# KiCad board AsicsBoard - 16xBM1368 - 01A.kicad_pcb (continued)
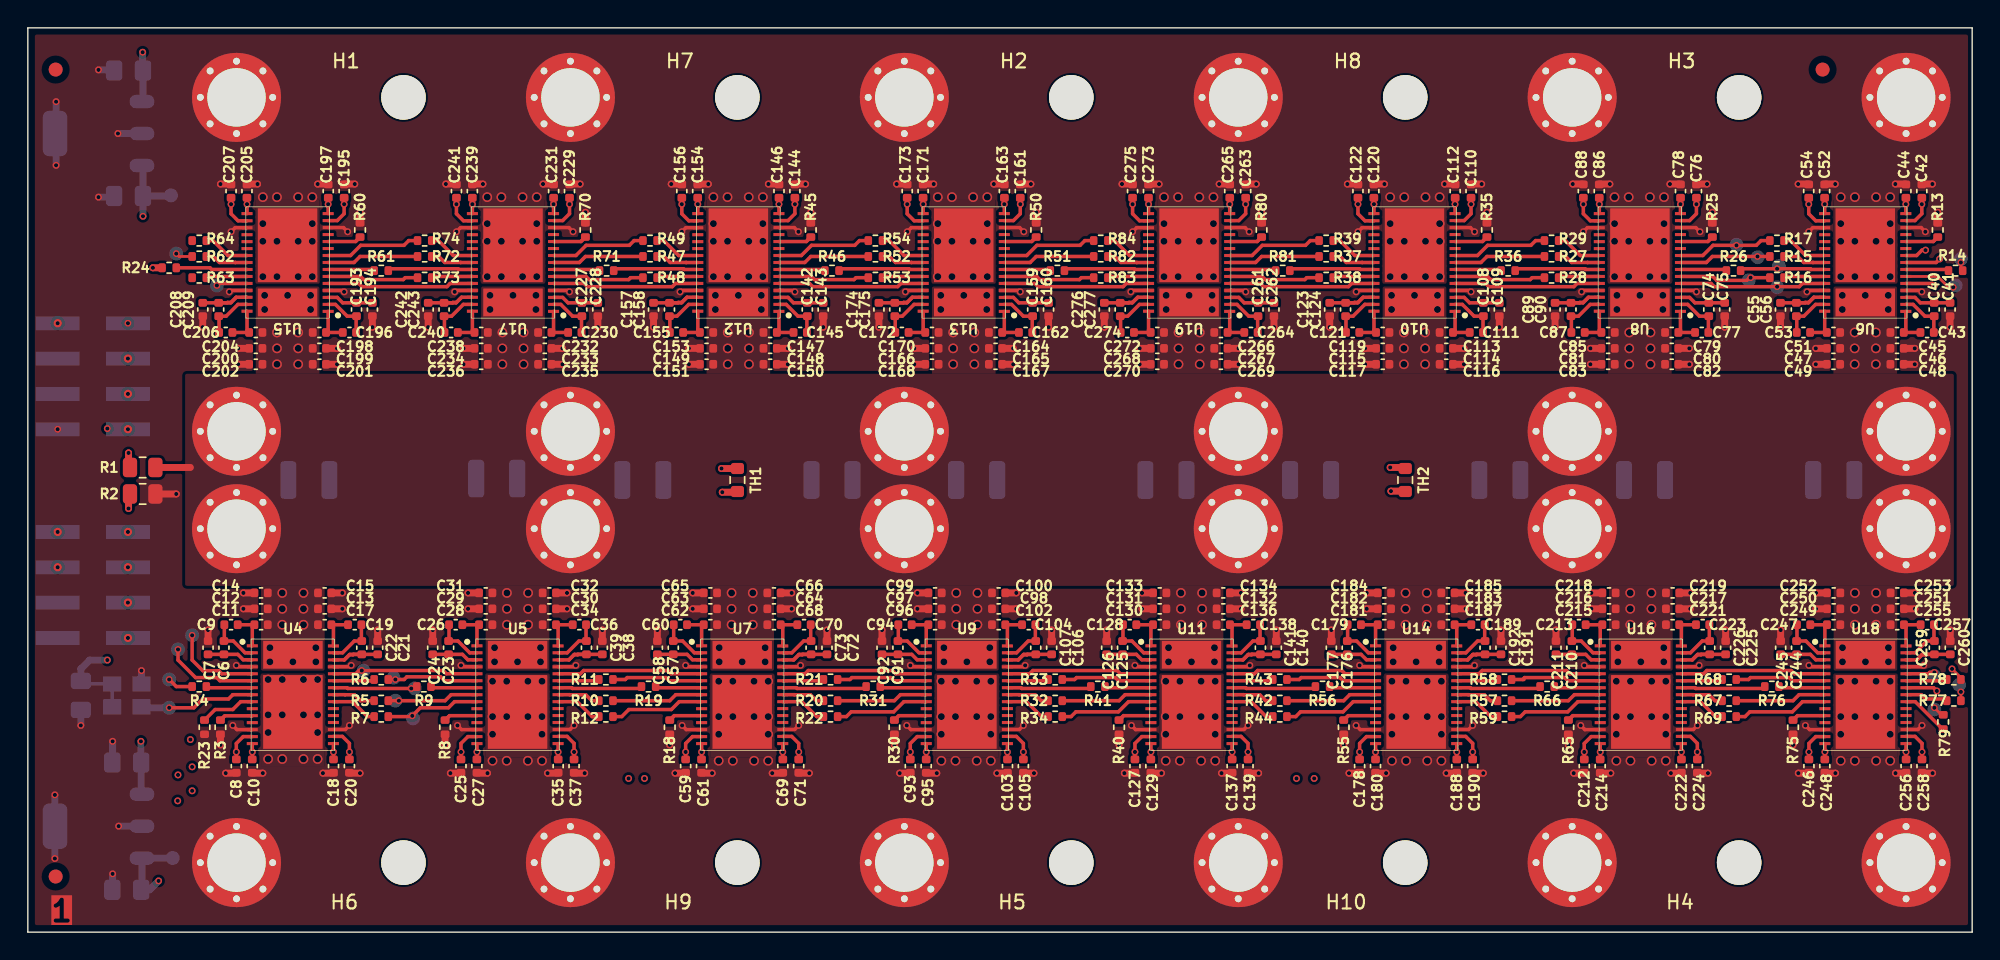
[diagram p0: board, top side]
## Placement (name value [footprint] x y rotation side) (continued)
R48  33R  [R_0402_1005Metric]  44.72 47.04 180 top
R49  33R  [R_0402_1005Metric]  44.72 49.71 180 top
R50  1K  [R_0402_1005Metric]  72.48 50.47 90 top
R51  33R  [R_0402_1005Metric]  74 47.55 0 top
R52  33R  [R_0402_1005Metric]  60.92 48.56 180 top
R53  33R  [R_0402_1005Metric]  60.92 47.04 180 top
R54  33R  [R_0402_1005Metric]  60.92 49.71 180 top
R55  1K  [R_0402_1005Metric]  94.58 14.73 270 top
R56  33R  [R_0402_1005Metric]  93.06 17.65 180 top
R57  33R  [R_0402_1005Metric]  106.14 16.64 0 top
R58  33R  [R_0402_1005Metric]  106.14 18.16 0 top
R59  33R  [R_0402_1005Metric]  106.14 15.49 0 top
R60  1K  [R_0402_1005Metric]  23.88 50.47 90 top
R61  33R  [R_0402_1005Metric]  25.4 47.55 0 top
R62  33R  [R_0402_1005Metric]  12.32 48.56 180 top
R63  33R  [R_0402_1005Metric]  12.32 47.04 180 top
R64  33R  [R_0402_1005Metric]  12.32 49.71 180 top
R65  1K  [R_0402_1005Metric]  110.73 14.73 270 top
R66  33R  [R_0402_1005Metric]  109.2 17.65 180 top
R67  33R  [R_0402_1005Metric]  122.28 16.64 0 top
R68  33R  [R_0402_1005Metric]  122.28 18.16 0 top
R69  33R  [R_0402_1005Metric]  122.28 15.49 0 top
R70  1K  [R_0402_1005Metric]  40.08 50.47 90 top
R71  33R  [R_0402_1005Metric]  41.6 47.55 0 top
R72  33R  [R_0402_1005Metric]  28.52 48.56 180 top
R73  33R  [R_0402_1005Metric]  28.52 47.04 180 top
R74  33R  [R_0402_1005Metric]  28.52 49.71 180 top
R75  1K  [R_0402_1005Metric]  126.87 14.73 270 top
R76  33R  [R_0402_1005Metric]  125.35 17.65 180 top
R77  33R  [R_0402_1005Metric]  138.43 16.64 0 top
R78  33R  [R_0402_1005Metric]  138.43 18.16 0 top
R79  33R  [R_0402_1005Metric]  137.67 15.11 90 top
R80  1K  [R_0402_1005Metric]  88.68 50.47 90 top
R81  33R  [R_0402_1005Metric]  90.2 47.55 0 top
R82  33R  [R_0402_1005Metric]  77.12 48.56 180 top
R83  33R  [R_0402_1005Metric]  77.12 47.04 180 top
R84  33R  [R_0402_1005Metric]  77.12 49.71 180 top
TH1  RB103J0J  [R_0603_1608Metric]  51 32.5 90 top
TH2  RB103J0J  [R_0603_1608Metric]  99 32.5 90 top
TP1  TestPoint  [TestPoint_Pad_D1.0mm]  10.41 5.33 270 bottom
TP2  TestPoint  [TestPoint_Pad_D1.0mm]  10.29 52.96 90 bottom
TP3  TestPoint  [TestPoint_Pad_D1.0mm]  24.13 18.8 180 bottom
TP4  TestPoint  [TestPoint_Pad_D1.0mm]  26.42 16.64 180 bottom
TP5  TestPoint  [TestPoint_Pad_D1.0mm]  27.81 17.53 180 bottom
TP6  TestPoint  [TestPoint_Pad_D1.0mm]  26.29 18.29 180 bottom
TP7  TestPoint  [TestPoint_Pad_D1.0mm]  27.69 15.37 180 bottom
TP8  TestPoint  [TestPoint_Pad_D1.0mm]  125.73 46.36 180 bottom
TP9  TestPoint  [TestPoint_Pad_D1.0mm]  124.33 48.51 180 bottom
TP10  TestPoint  [TestPoint_Pad_D1.0mm]  125.86 47.88 180 bottom
TP11  TestPoint  [TestPoint_Pad_D1.0mm]  123.7 46.86 180 bottom
TP12  TestPoint  [TestPoint_Pad_D1.0mm]  122.81 49.4 180 bottom
TP13  TestPoint  [TestPoint_Pad_D1.0mm]  11.81 21.34 180 bottom
TP14  TestPoint  [TestPoint_Pad_D1.0mm]  10.16 16.13 180 bottom
TP15  TestPoint  [TestPoint_Pad_D1.0mm]  10.8 20.32 180 bottom
TP16  TestPoint  [TestPoint_Pad_D1.0mm]  10.16 18.16 180 bottom
TP17  TestPoint  [TestPoint_Pad_D1.0mm]  137.03 18.42 270 bottom
TP18  TestPoint  [TestPoint_Pad_D1.0mm]  138.81 17.78 270 bottom
TP19  TestPoint  [TestPoint_Pad_D1.0mm]  138.56 46.48 270 bottom
TP20  TestPoint  [TestPoint_Pad_D1.0mm]  138.94 48.39 270 bottom
TP21  TestPoint  [TestPoint_Pad_D1.0mm]  137.03 16 270 bottom
TP22  TestPoint  [TestPoint_Pad_D1.0mm]  13.59 46.48 180 bottom
TP23  TestPoint  [TestPoint_Pad_D1.0mm]  10.67 48.77 180 bottom
U1  MCP1826S-1202E_DB  [MCP1826S]  5.08 57.4 270 bottom
U2  MCP1826S-0802E_DB  [MCP1826S]  5.08 7.62 270 bottom
U3  25MHz  [Oscillator_SMD_Abracon_ASE-4Pin_3.2x2.5mm]  7.11 17.02 0 bottom
U4  ~  [BM1368]  19.05 17.07 0 top
U5  ~  [BM1368]  35.2 17.07 0 top
U6  ~  [BM1368]  132.07 48.13 180 top
U7  ~  [BM1368]  51.34 17.07 0 top
U8  ~  [BM1368]  115.87 48.13 180 top
U9  ~  [BM1368]  67.49 17.07 0 top
U10  ~  [BM1368]  99.67 48.13 180 top
U11  ~  [BM1368]  83.64 17.07 0 top
U12  ~  [BM1368]  51.07 48.13 180 top
U13  ~  [BM1368]  67.27 48.13 180 top
U14  ~  [BM1368]  99.79 17.07 0 top
U15  ~  [BM1368]  18.67 48.13 180 top
U16  ~  [BM1368]  115.93 17.07 0 top
U17  ~  [BM1368]  34.87 48.13 180 top
U18  ~  [BM1368]  132.08 17.07 0 top
U19  ~  [BM1368]  83.47 48.13 180 top

## Library data of the parts
C1-C4 = -: MP: CL21B105KOFNFNE; P/N MOUSER: 187-CL21B105KOFNFNE; ki_fp_filters: C_*
C5 = -: P/N MOUSER: 791-0805B104M101CT; ki_fp_filters: C_*
C6-C11 C14 C15 C17-C28 C31 C32 C34-C45 C48 C49 C51-C62 C65 C66 C68-C79 C82 C83 C85-C96 C99 C100 C102-C113 C116 C117 C119-C130 C133 C134 C136-C147 C150 C151 C153-C164 C167 C168 C170-C181 C184 C185 C187-C198 C201 C202 C204-C215 C218 C219 C221-C232 C235 C236 C238-C249 C252 C253 C255-C266 C269 C270 C272-C277 = -: MP: GRM155R70J105KA12D; P/N MOUSER: 81-GRM155R70J105KA2D; ki_fp_filters: C_*
C12 C13 C29 C30 C46 C47 C63 C64 C80 C81 C97 C98 C114 C115 C131 C132 C148 C149 C165 C166 C182 C183 C199 C200 C216 C217 C233 C234 C250 C251 C267 C268 = -: MP: SH15B104K160CT; P/N MOUSER: 791-SH15B104K160CT; ki_fp_filters: C_*
C16 C33 C50 C67 C84 C101 C118 C135 C152 C169 C186 C203 C220 C237 C254 C271 C278-C287 = -: MP: GRM32ER60G337ME05K; P/N MOUSER: 81-GRM32ER60G337ME5K; ki_fp_filters: CP_*
FID1-FID6 = -: Description: Fiducial Marker; ki_fp_filters: Fiducial*
H1-H10 = -: Description: Mounting Hole without connection; ki_fp_filters: MountingHole*
H11-H34 = -: Description: Mounting Hole with connection; P/N MOUSER: 153-SMTSO-M3-10ET; MP: SMTSO-M3-10ET; ki_fp_filters: MountingHole*Pad*
J1 J2 = -: Description: Generic connector, double row, 02x04, odd/even pin numbering scheme (row 1 odd numbers, row 2 even numbers), script generated (kicad-library-utils/schlib/autogen/connector/); ki_fp_filters: Connector*:*_2x??_*
R1 R2 = -: MP: RT0805DRE0751RL; P/N MOUSER: 603-RT0805DRE0751RL; ki_fp_filters: R_*
R3 R8 R13 R18 R25 R30 R35 R40 R45 R50 R55 R60 R65 R70 R75 R80 = -: P/N MOUSER: 708-RNCP0402FTD1K00; MP: RNCP0402FTD1K00; ki_fp_filters: R_*
R4-R7 R9-R12 R14-R17 R19-R22 R26-R29 R31-R34 R36-R39 R41-R44 R46-R49 R51-R54 R56-R59 R61-R64 R66-R69 R71-R74 R76-R79 R81-R84 = -: MP: WR04X33R0FTL; P/N MOUSER: 791-WR04X33R0FTL; ki_fp_filters: R_*
R23 R24 = -: MP: RMC1/16SK1002FTH; P/N MOUSER: 791-RMC1/16SK103FTH; ki_fp_filters: R_*
TH1 TH2 = -: Description: CTN; P/N MOUSER: 576-RB103J0J; ki_fp_filters: TO?92* PIN?ARRAY* bornier* Terminal?Block* SOD70* R*1206* R*0805*
TP1-TP23 = -: ki_fp_filters: Pin* Test*
U1 = -: MF: Microchip; Description_1: IC,LINEAR REGULATOR;MAX. INPUT,6V;OUTPUT,1.2V;1000MA;ACCURACY,0.5%;SOT223-3 | Microchip Technology Inc. MCP1826S-1202E/DB; Package: SOT-223 Microchip Technology; Price: None; MP: MCP1826S-1802E/DB; Purchase-URL: https://www.snapeda.com/api/url_track_click_mouser/?unipart_id=142747&manufacturer=Microchip&part_name=MCP1826S-1802E/DB&search_term=mcp1826s; Availability: In Stock; Check_prices: https://www.snapeda.com/parts/MCP1826S-1802E/DB/Microchip/view-part/?ref=eda; P/N MOUSER: 579-MCP1826S-1802EDB
U2 = -: MF: Microchip; Description_1: IC,LINEAR REGULATOR;MAX. INPUT,6V;OUTPUT,1.8V;1000MA;ACCURACY,0.5%;SOT223-3 | Microchip Technology Inc. MCP1826S-1802E/DB; Package: SOT-223 Microchip Technology; Price: None; MP: MCP1826S-1802E/DB; Purchase-URL: https://www.snapeda.com/api/url_track_click_mouser/?unipart_id=142747&manufacturer=Microchip&part_name=MCP1826S-1802E/DB&search_term=mcp1826s; Availability: In Stock; Check_prices: https://www.snapeda.com/parts/MCP1826S-1802E/DB/Microchip/view-part/?ref=eda; P/N MOUSER: 579-MCP1826S-0802EDB
U3 = -: Datasheet: https://www.jauch.com/downloadfile/5ef1edcfb8e2f73163c8ce8009ef659d1/jo32-1.8-3.3v.pdf; MP: LFSPXO076024Cutt; P/N MOUSER: 449-LFSPXO076024CUTT

## Footprints (pads in the part's own frame, mm; a bottom-side part is the same pattern mirrored in y, then rotated)
BM1368
  rect 0.792x0.221 smd: 1(-2.916,3.514) 2(-2.916,3.012) 3(-2.916,2.51) 4(-2.916,2.008) 5(-2.916,1.506) 6(-2.916,1.004) 7(-2.916,0.502) 8(-2.916,0) 9(-2.916,-0.502) 10(-2.916,-1.004) 11(-2.916,-1.506) 12(-2.916,-2.008) 13(-2.916,-2.51) 14(-2.916,-3.012) 15(-2.916,-3.514) 16(2.916,-3.514) 17(2.916,-2.999) 18(2.916,-2.499) 19(2.916,-1.999) 20(2.916,-1.499) 21(2.916,-0.999) 22(2.916,-0.502) 23(2.916,0.001) 24(2.916,0.502) 25(2.916,1.004) 26(2.916,1.506) 27(2.916,2.008) 28(2.916,2.501) 29(2.916,3.012) 30(2.916,3.501)
  rect 4.277x2 smd: 31(0,2.87)
  rect 4.277x5.3 smd: 32(0,-1.24)
C_0402_1005Metric
  rrect 0.56x0.62 smd: 1(-0.48,0) 2(0.48,0)
C_0805_2012Metric_Pad1.18x1.45mm_HandSolder
  rrect 1.175x1.45 smd: 1(-1.038,0) 2(1.038,0)
C_1210_3225Metric
  rrect 1.15x2.7 smd: 1(-1.475,0) 2(1.475,0)
Fiducial_1mm_Mask2mm
  round 1 smd: (0,0)
MCP1826S
  rrect 0.96x1.76 smd: 1(-2.3,-3.125) 2(0,-3.125) 3(2.3,-3.125)
  rrect 3.26x1.76 smd: 4(0,3.125)
MountingHole_3.2mm_M3_ISO7380
  round 3.2 hole 3.2 unplated: (0,0)
Oscillator_SMD_Abracon_ASE-4Pin_3.2x2.5mm
  rect 1.3x1.1 smd: 1(-1.05,-0.825) 2(1.05,-0.825) 3(1.05,0.825) 4(-1.05,0.825)
PinHeader_2x04_P2.54mm_Vertical_SMD
  rect 3.15x1 smd: 1(-2.525,3.81) 2(2.525,3.81) 3(-2.525,1.27) 4(2.525,1.27) 5(-2.525,-1.27) 6(2.525,-1.27) 7(-2.525,-3.81) 8(2.525,-3.81)
R_0402_1005Metric
  rrect 0.54x0.64 smd: 1(-0.51,0) 2(0.51,0)
R_0603_1608Metric
  rrect 0.8x0.95 smd: 1(-0.825,0) 2(0.825,0)
R_0805_2012Metric
  rrect 1.025x1.4 smd: 1(-0.912,0) 2(0.912,0)
SMTSO-M3-10ET
  round 0.8 hole 0.5: 1(-2.6,0) 1(-1.9,-1.9) 1(-1.9,1.9) 1(0,-2.6) 1(0,2.6) 1(1.9,-1.9) 1(1.9,1.9) 1(2.6,0)
  round 6.4 hole 4.2: 1(0,0)
TestPoint_Pad_D1.0mm
  round 1 smd: 1(0,0)

## Nets
+0.8V: C3.1 C8.1 C20.1 C25.1 C37.1 C42.1 C54.1 C59.1 C71.1 C76.1 C88.1 C93.1 C105.1 C110.1 C122.1 C127.1 C139.1 C144.1 C156.1 C161.1 C173.1 C178.1 C190.1 C195.1 C207.1 C212.1 C224.1 C229.1 C241.1 C246.1 C258.1 C263.1 C275.1 TP1.1 U2.3 U4.14 U4.17 U5.14 U5.17 U6.14 U6.17 U7.14 U7.17 U8.14 U8.17 U9.14 U9.17 U10.14 U10.17 U11.14 U11.17 U12.14 U12.17 U13.14 U13.17 U14.14 U14.17 U15.14 U15.17 U16.14 U16.17 U17.14 U17.17 U18.14 U18.17 U19.14 U19.17
+1.2V: C4.1 C5.1 C10.1 C18.1 C27.1 C35.1 C44.1 C52.1 C61.1 C69.1 C78.1 C86.1 C95.1 C103.1 C112.1 C120.1 C129.1 C137.1 C146.1 C154.1 C163.1 C171.1 C180.1 C188.1 C197.1 C205.1 C214.1 C222.1 C231.1 C239.1 C248.1 C256.1 C265.1 C273.1 J2.7 R24.1 TP2.1 U1.3 U3.1 U3.4 U4.15 U4.16 U5.15 U5.16 U6.15 U6.16 U7.15 U7.16 U8.15 U8.16 U9.15 U9.16 U10.15 U10.16 U11.15 U11.16 U12.15 U12.16 U13.15 U13.16 U14.15 U14.16 U15.15 U15.16 U16.15 U16.16 U17.15 U17.16 U18.15 U18.16 U19.15 U19.16
+5V_STDBY: C1.1 C2.1 J2.2 U1.1 U2.1
/ASICs/ASICs_BM1368_1/BM1368-0/VDD1_0: C6.2 C7.1 U4.3
/ASICs/ASICs_BM1368_1/BM1368-0/VDD1_1: C21.2 C22.1 U4.28
/ASICs/ASICs_BM1368_1/BM1368-0/VDD2_0: C7.2 C9.1 U4.2
/ASICs/ASICs_BM1368_1/BM1368-0/VDD2_1: C19.2 C21.1 U4.29
/ASICs/ASICs_BM1368_1/BM1368-0/VDD3_0: C9.2 C11.1 U4.1
/ASICs/ASICs_BM1368_1/BM1368-0/VDD3_1: C17.2 C19.1 U4.30
/ASICs/ASICs_BM1368_1/BM1368-1/VDD1_0: C23.2 C24.1 U5.3
/ASICs/ASICs_BM1368_1/BM1368-1/VDD1_1: C38.2 C39.1 U5.28
/ASICs/ASICs_BM1368_1/BM1368-1/VDD2_0: C24.2 C26.1 U5.2
/ASICs/ASICs_BM1368_1/BM1368-1/VDD2_1: C36.2 C38.1 U5.29
/ASICs/ASICs_BM1368_1/BM1368-1/VDD3_0: C26.2 C28.1 U5.1
/ASICs/ASICs_BM1368_1/BM1368-1/VDD3_1: C34.2 C36.1 U5.30
/ASICs/ASICs_BM1368_1/BM1368-2/VDD1_0: C57.2 C58.1 U7.3
/ASICs/ASICs_BM1368_1/BM1368-2/VDD1_1: C72.2 C73.1 U7.28
/ASICs/ASICs_BM1368_1/BM1368-2/VDD2_0: C58.2 C60.1 U7.2
/ASICs/ASICs_BM1368_1/BM1368-2/VDD2_1: C70.2 C72.1 U7.29
/ASICs/ASICs_BM1368_1/BM1368-2/VDD3_0: C60.2 C62.1 U7.1
/ASICs/ASICs_BM1368_1/BM1368-2/VDD3_1: C68.2 C70.1 U7.30
/ASICs/ASICs_BM1368_1/BM1368-3/VDD1_0: C91.2 C92.1 U9.3
/ASICs/ASICs_BM1368_1/BM1368-3/VDD1_1: C106.2 C107.1 U9.28
/ASICs/ASICs_BM1368_1/BM1368-3/VDD2_0: C92.2 C94.1 U9.2
/ASICs/ASICs_BM1368_1/BM1368-3/VDD2_1: C104.2 C106.1 U9.29
/ASICs/ASICs_BM1368_1/BM1368-3/VDD3_0: C94.2 C96.1 U9.1
/ASICs/ASICs_BM1368_1/BM1368-3/VDD3_1: C102.2 C104.1 U9.30
/ASICs/ASICs_BM1368_1/BM1368-4/VDD1_0: C125.2 C126.1 U11.3
/ASICs/ASICs_BM1368_1/BM1368-4/VDD1_1: C140.2 C141.1 U11.28
/ASICs/ASICs_BM1368_1/BM1368-4/VDD2_0: C126.2 C128.1 U11.2
/ASICs/ASICs_BM1368_1/BM1368-4/VDD2_1: C138.2 C140.1 U11.29
/ASICs/ASICs_BM1368_1/BM1368-4/VDD3_0: C128.2 C130.1 U11.1
/ASICs/ASICs_BM1368_1/BM1368-4/VDD3_1: C136.2 C138.1 U11.30
/ASICs/ASICs_BM1368_1/BM1368-5/VDD1_0: C176.2 C177.1 U14.3
/ASICs/ASICs_BM1368_1/BM1368-5/VDD1_1: C191.2 C192.1 U14.28
/ASICs/ASICs_BM1368_1/BM1368-5/VDD2_0: C177.2 C179.1 U14.2
/ASICs/ASICs_BM1368_1/BM1368-5/VDD2_1: C189.2 C191.1 U14.29
/ASICs/ASICs_BM1368_1/BM1368-5/VDD3_0: C179.2 C181.1 U14.1
/ASICs/ASICs_BM1368_1/BM1368-5/VDD3_1: C187.2 C189.1 U14.30
/ASICs/ASICs_BM1368_1/BM1368-6/VDD1_0: C210.2 C211.1 U16.3
/ASICs/ASICs_BM1368_1/BM1368-6/VDD1_1: C225.2 C226.1 U16.28
/ASICs/ASICs_BM1368_1/BM1368-6/VDD2_0: C211.2 C213.1 U16.2
/ASICs/ASICs_BM1368_1/BM1368-6/VDD2_1: C223.2 C225.1 U16.29
/ASICs/ASICs_BM1368_1/BM1368-6/VDD3_0: C213.2 C215.1 U16.1
/ASICs/ASICs_BM1368_1/BM1368-6/VDD3_1: C221.2 C223.1 U16.30
/ASICs/ASICs_BM1368_1/BM1368-7/VDD1_0: C244.2 C245.1 U18.3
/ASICs/ASICs_BM1368_1/BM1368-7/VDD1_1: C259.2 C260.1 U18.28
/ASICs/ASICs_BM1368_1/BM1368-7/VDD2_0: C245.2 C247.1 U18.2
/ASICs/ASICs_BM1368_1/BM1368-7/VDD2_1: C257.2 C259.1 U18.29
/ASICs/ASICs_BM1368_1/BM1368-7/VDD3_0: C247.2 C249.1 U18.1
/ASICs/ASICs_BM1368_1/BM1368-7/VDD3_1: C255.2 C257.1 U18.30
/ASICs/ASICs_BM1368_2/BM1368-0/VDD1_0: C40.2 C41.1 U6.3
/ASICs/ASICs_BM1368_2/BM1368-0/VDD1_1: C55.2 C56.1 U6.28
/ASICs/ASICs_BM1368_2/BM1368-0/VDD2_0: C41.2 C43.1 U6.2
/ASICs/ASICs_BM1368_2/BM1368-0/VDD2_1: C53.2 C55.1 U6.29
/ASICs/ASICs_BM1368_2/BM1368-0/VDD3_0: C43.2 C45.1 U6.1
/ASICs/ASICs_BM1368_2/BM1368-0/VDD3_1: C51.2 C53.1 U6.30
/ASICs/ASICs_BM1368_2/BM1368-1/VDD1_0: C74.2 C75.1 U8.3
/ASICs/ASICs_BM1368_2/BM1368-1/VDD1_1: C89.2 C90.1 U8.28
/ASICs/ASICs_BM1368_2/BM1368-1/VDD2_0: C75.2 C77.1 U8.2
/ASICs/ASICs_BM1368_2/BM1368-1/VDD2_1: C87.2 C89.1 U8.29
/ASICs/ASICs_BM1368_2/BM1368-1/VDD3_0: C77.2 C79.1 U8.1
/ASICs/ASICs_BM1368_2/BM1368-1/VDD3_1: C85.2 C87.1 U8.30
/ASICs/ASICs_BM1368_2/BM1368-2/VDD1_0: C108.2 C109.1 U10.3
/ASICs/ASICs_BM1368_2/BM1368-2/VDD1_1: C123.2 C124.1 U10.28
/ASICs/ASICs_BM1368_2/BM1368-2/VDD2_0: C109.2 C111.1 U10.2
/ASICs/ASICs_BM1368_2/BM1368-2/VDD2_1: C121.2 C123.1 U10.29
/ASICs/ASICs_BM1368_2/BM1368-2/VDD3_0: C111.2 C113.1 U10.1
/ASICs/ASICs_BM1368_2/BM1368-2/VDD3_1: C119.2 C121.1 U10.30
/ASICs/ASICs_BM1368_2/BM1368-3/VDD1_0: C261.2 C262.1 U19.3
/ASICs/ASICs_BM1368_2/BM1368-3/VDD1_1: C276.2 C277.1 U19.28
/ASICs/ASICs_BM1368_2/BM1368-3/VDD2_0: C262.2 C264.1 U19.2
/ASICs/ASICs_BM1368_2/BM1368-3/VDD2_1: C274.2 C276.1 U19.29
/ASICs/ASICs_BM1368_2/BM1368-3/VDD3_0: C264.2 C266.1 U19.1
/ASICs/ASICs_BM1368_2/BM1368-3/VDD3_1: C272.2 C274.1 U19.30
/ASICs/ASICs_BM1368_2/BM1368-4/VDD1_0: C159.2 C160.1 U13.3
/ASICs/ASICs_BM1368_2/BM1368-4/VDD1_1: C174.2 C175.1 U13.28
/ASICs/ASICs_BM1368_2/BM1368-4/VDD2_0: C160.2 C162.1 U13.2
/ASICs/ASICs_BM1368_2/BM1368-4/VDD2_1: C172.2 C174.1 U13.29
/ASICs/ASICs_BM1368_2/BM1368-4/VDD3_0: C162.2 C164.1 U13.1
/ASICs/ASICs_BM1368_2/BM1368-4/VDD3_1: C170.2 C172.1 U13.30
/ASICs/ASICs_BM1368_2/BM1368-5/VDD1_0: C142.2 C143.1 U12.3
/ASICs/ASICs_BM1368_2/BM1368-5/VDD1_1: C157.2 C158.1 U12.28
/ASICs/ASICs_BM1368_2/BM1368-5/VDD2_0: C143.2 C145.1 U12.2
/ASICs/ASICs_BM1368_2/BM1368-5/VDD2_1: C155.2 C157.1 U12.29
/ASICs/ASICs_BM1368_2/BM1368-5/VDD3_0: C145.2 C147.1 U12.1
/ASICs/ASICs_BM1368_2/BM1368-5/VDD3_1: C153.2 C155.1 U12.30
/ASICs/ASICs_BM1368_2/BM1368-6/VDD1_0: C227.2 C228.1 U17.3
/ASICs/ASICs_BM1368_2/BM1368-6/VDD1_1: C242.2 C243.1 U17.28
/ASICs/ASICs_BM1368_2/BM1368-6/VDD2_0: C228.2 C230.1 U17.2
/ASICs/ASICs_BM1368_2/BM1368-6/VDD2_1: C240.2 C242.1 U17.29
/ASICs/ASICs_BM1368_2/BM1368-6/VDD3_0: C230.2 C232.1 U17.1
/ASICs/ASICs_BM1368_2/BM1368-6/VDD3_1: C238.2 C240.1 U17.30
/ASICs/ASICs_BM1368_2/BM1368-7/VDD1_0: C193.2 C194.1 U15.3
/ASICs/ASICs_BM1368_2/BM1368-7/VDD1_1: C208.2 C209.1 U15.28
/ASICs/ASICs_BM1368_2/BM1368-7/VDD2_0: C194.2 C196.1 U15.2
/ASICs/ASICs_BM1368_2/BM1368-7/VDD2_1: C206.2 C208.1 U15.29
/ASICs/ASICs_BM1368_2/BM1368-7/VDD3_0: C196.2 C198.1 U15.1
/ASICs/ASICs_BM1368_2/BM1368-7/VDD3_1: C204.2 C206.1 U15.30
GND: C1.2 C2.2 C3.2 C4.2 C5.2 C6.1 C8.2 C10.2 C12.2 C13.2 C14.2 C15.2 C16.2 C18.2 C20.2 C22.2 C23.1 C25.2 C27.2 C29.2 C30.2 C31.2 C32.2 C33.2 C35.2 C37.2 C39.2 C40.1 C42.2 C44.2 C46.2 C47.2 C48.2 C49.2 C50.2 C52.2 C54.2 C56.2 C57.1 C59.2 C61.2 C63.2 C64.2 C65.2 C66.2 C67.2 C69.2 C71.2 C73.2 C74.1 C76.2 C78.2 C80.2 C81.2 C82.2 C83.2 C84.2 C86.2 C88.2 C90.2 C91.1 C93.2 C95.2 C97.2 C98.2 C99.2 C100.2 C101.2 C103.2 C105.2 C107.2 C108.1 C110.2 C112.2 C114.2 C115.2 C116.2 C117.2 C118.2 C120.2 C122.2 C124.2 C125.1 C127.2 C129.2 C131.2 C132.2 C133.2 C134.2 C135.2 C137.2 C139.2 C141.2 C142.1 C144.2 C146.2 C148.2 C149.2 C150.2 C151.2 C152.2 C154.2 C156.2 C158.2 C159.1 C161.2 C163.2 C165.2 C166.2 C167.2 C168.2 C169.2 C171.2 C173.2 C175.2 C176.1 C178.2 C180.2 C182.2 C183.2 C184.2 C185.2 C186.2 C188.2 C190.2 C192.2 C193.1 C195.2 C197.2 C199.2 C200.2 C201.2 C202.2 C203.2 C205.2 C207.2 C209.2 C210.1 C212.2 C214.2 C216.2 C217.2 C218.2 C219.2 C220.2 C222.2 C224.2 C226.2 C227.1 C229.2 C231.2 C233.2 C234.2 C235.2 C236.2 C237.2 C239.2 C241.2 C243.2 C244.1 C246.2 C248.2 C250.2 C251.2 C252.2 C253.2 C254.2 C256.2 C258.2 C260.2 C261.1 C263.2 C265.2 C267.2 C268.2 C269.2 C270.2 C271.2 C273.2 C275.2 C277.2 C278.2 C279.2 C280.2 C281.2 C282.2 C283.2 C284.2 C285.2 C286.2 C287.2 H12.1 H14.1 H16.1 H18.1 H20.1 H22.1 H24.1 H26.1 H28.1 H30.1 H32.1 H34.1 J2.8 R2.1 R3.2 R8.2 R13.2 R18.2 R23.1 R25.2 R30.2 R35.2 R40.2 R45.2 R50.2 R55.2 R60.2 R65.2 R70.2 R75.2 R80.2 U1.2 U1.4 U2.2 U2.4 U3.2 U4.4 U4.13 U4.18 U4.27 U4.32 U5.4 U5.13 U5.18 U5.27 U5.32 U6.4 U6.13 U6.18 U6.27 U6.32 U7.4 U7.13 U7.18 U7.27 U7.32 U8.4 U8.13 U8.18 U8.27 U8.32 U9.4 U9.13 U9.18 U9.27 U9.32 U10.4 U10.13 U10.18 U10.27 U10.32 U11.4 U11.13 U11.18 U11.27 U11.32 U12.4 U12.13 U12.18 U12.27 U12.32 U13.4 U13.13 U13.18 U13.27 U13.32 U14.4 U14.13 U14.18 U14.27 U14.32 U15.4 U15.13 U15.18 U15.27 U15.32 U16.4 U16.13 U16.18 U16.27 U16.32 U17.4 U17.13 U17.18 U17.27 U17.32 U18.4 U18.13 U18.18 U18.27 U18.32 U19.4 U19.13 U19.18 U19.27 U19.32
/ASICs/ASICs_BM1368_1/BM1368-0/BI: R23.2 U4.9
/ASICs/ASICs_BM1368_1/BM1368-7/BO: R79.2 TP21.1 U6.9
/ASICs/ASICs_BM1368_1/BM1368-7/CLKO: R77.2 TP18.1 U6.8
/ASICs/ASICs_BM1368_1/BM1368-7/CO: R78.2 TP19.1 U6.6
/ASICs/ASICs_BM1368_1/BM1368-7/RI: R14.2 TP20.1 U18.24
/ASICs/ASICs_BM1368_1/BM1368-7/RSTO_n: TP17.1 U6.5 U18.26
/ASICs/ASICs_BM1368_1/BO1: R7.2 TP7.1 U5.9
/ASICs/ASICs_BM1368_1/BO2: R12.2 U7.9
/ASICs/ASICs_BM1368_1/BO3: R22.2 U9.9
/ASICs/ASICs_BM1368_1/BO4: R34.2 U11.9
/ASICs/ASICs_BM1368_1/BO5: R44.2 U14.9
/ASICs/ASICs_BM1368_1/BO6: R59.2 U16.9
/ASICs/ASICs_BM1368_1/BO7: R69.2 U18.9
/ASICs/ASICs_BM1368_1/CLKO1: R5.2 TP4.1 U5.8
/ASICs/ASICs_BM1368_1/CLKO2: R10.2 U7.8
/ASICs/ASICs_BM1368_1/CLKO3: R20.2 U9.8
/ASICs/ASICs_BM1368_1/CLKO4: R32.2 U11.8
/ASICs/ASICs_BM1368_1/CLKO5: R42.2 U14.8
/ASICs/ASICs_BM1368_1/CLKO6: R57.2 U16.8
/ASICs/ASICs_BM1368_1/CLKO7: R67.2 U18.8
/ASICs/ASICs_BM1368_1/CO1: R6.2 TP6.1 U5.6
/ASICs/ASICs_BM1368_1/CO2: R11.2 U7.6
/ASICs/ASICs_BM1368_1/CO3: R21.2 U9.6
/ASICs/ASICs_BM1368_1/CO4: R33.2 U11.6
/ASICs/ASICs_BM1368_1/CO5: R43.2 U14.6
/ASICs/ASICs_BM1368_1/CO6: R58.2 U16.6
/ASICs/ASICs_BM1368_1/CO7: R68.2 U18.6
/ASICs/ASICs_BM1368_1/RI1: R9.2 TP5.1 U4.24
/ASICs/ASICs_BM1368_1/RI02: R19.2 U5.24
/ASICs/ASICs_BM1368_1/RI3: R31.2 U7.24
/ASICs/ASICs_BM1368_1/RI4: R41.2 U9.24
/ASICs/ASICs_BM1368_1/RI5: R56.2 U11.24
/ASICs/ASICs_BM1368_1/RI6: R66.2 U14.24
/ASICs/ASICs_BM1368_1/RI7: R76.2 U16.24
/ASICs/ASICs_BM1368_1/RSTO1: TP3.1 U4.26 U5.5
/ASICs/ASICs_BM1368_1/RSTO2: U5.26 U7.5
/ASICs/ASICs_BM1368_1/RSTO3: U7.26 U9.5
/ASICs/ASICs_BM1368_1/RSTO4: U9.26 U11.5
/ASICs/ASICs_BM1368_1/RSTO5: U11.26 U14.5
/ASICs/ASICs_BM1368_1/RSTO6: U14.26 U16.5
/ASICs/ASICs_BM1368_1/RSTO7: U16.26 U18.5
/ASICs/ASICs_BM1368_2/BM1368-7/BO: R64.2
/ASICs/ASICs_BM1368_2/BM1368-7/CLKO: R62.2 TP23.1
/ASICs/ASICs_BM1368_2/BM1368-7/CO: R63.2
/ASICs/ASICs_BM1368_2/BM1368-7/RI: R24.2 U15.24
/ASICs/ASICs_BM1368_2/BM1368-7/RSTO_n: TP22.1 U15.26
/ASICs/ASICs_BM1368_2/BO1: R17.2 TP12.1 U8.9
/ASICs/ASICs_BM1368_2/BO2: R29.2 U10.9
/ASICs/ASICs_BM1368_2/BO3: R39.2 U19.9
/ASICs/ASICs_BM1368_2/BO4: R84.2 U13.9
/ASICs/ASICs_BM1368_2/BO5: R54.2 U12.9
/ASICs/ASICs_BM1368_2/BO6: R49.2 U17.9
/ASICs/ASICs_BM1368_2/BO7: R74.2 U15.9
/ASICs/ASICs_BM1368_2/CLKO1: R15.2 TP9.1 U8.8
/ASICs/ASICs_BM1368_2/CLKO2: R27.2 U10.8
/ASICs/ASICs_BM1368_2/CLKO3: R37.2 U19.8
/ASICs/ASICs_BM1368_2/CLKO4: R82.2 U13.8
/ASICs/ASICs_BM1368_2/CLKO5: R52.2 U12.8
/ASICs/ASICs_BM1368_2/CLKO6: R47.2 U17.8
/ASICs/ASICs_BM1368_2/CLKO7: R72.2 U15.8
/ASICs/ASICs_BM1368_2/CO1: R16.2 TP11.1 U8.6
/ASICs/ASICs_BM1368_2/CO2: R28.2 U10.6
/ASICs/ASICs_BM1368_2/CO3: R38.2 U19.6
/ASICs/ASICs_BM1368_2/CO4: R83.2 U13.6
/ASICs/ASICs_BM1368_2/CO5: R53.2 U12.6
/ASICs/ASICs_BM1368_2/CO6: R48.2 U17.6
/ASICs/ASICs_BM1368_2/CO7: R73.2 U15.6
/ASICs/ASICs_BM1368_2/RI1: R26.2 TP10.1 U6.24
/ASICs/ASICs_BM1368_2/RI02: R36.2 U8.24
/ASICs/ASICs_BM1368_2/RI3: R81.2 U10.24
/ASICs/ASICs_BM1368_2/RI4: R51.2 U19.24
/ASICs/ASICs_BM1368_2/RI5: R46.2 U13.24
/ASICs/ASICs_BM1368_2/RI6: R71.2 U12.24
/ASICs/ASICs_BM1368_2/RI7: R61.2 U17.24
/ASICs/ASICs_BM1368_2/RSTO1: TP8.1 U6.26 U8.5
/ASICs/ASICs_BM1368_2/RSTO2: U8.26 U10.5
/ASICs/ASICs_BM1368_2/RSTO3: U10.26 U19.5
/ASICs/ASICs_BM1368_2/RSTO4: U13.5 U19.26
/ASICs/ASICs_BM1368_2/RSTO5: U12.5 U13.26
/ASICs/ASICs_BM1368_2/RSTO6: U12.26 U17.5
/ASICs/ASICs_BM1368_2/RSTO7: U15.5 U17.26
/CI: J2.3 TP15.1 U4.6
/CLKI: TP14.1 U3.3 U4.8
/CTN1: J1.5 TH1.1
/CTN1_RTN: J1.7 TH1.2
/CTN2: J1.1 TH2.1
/CTN2_RTN: J1.3 TH2.2
/RO: J2.5 R4.2 TP16.1
/RSTIn: J2.1 TP13.1 U4.5
/SCL: J2.4
/SDA: J2.6
/VSN: J1.4 R2.2
/VSP: J1.2 R1.2
VPWR_ASIC: C11.2 C12.1 C13.1 C14.1 C15.1 C16.1 C17.1 C28.2 C29.1 C30.1 C31.1 C32.1 C33.1 C34.1 C45.2 C46.1 C47.1 C48.1 C49.1 C50.1 C51.1 C62.2 C63.1 C64.1 C65.1 C66.1 C67.1 C68.1 C79.2 C80.1 C81.1 C82.1 C83.1 C84.1 C85.1 C96.2 C97.1 C98.1 C99.1 C100.1 C101.1 C102.1 C113.2 C114.1 C115.1 C116.1 C117.1 C118.1 C119.1 C130.2 C131.1 C132.1 C133.1 C134.1 C135.1 C136.1 C147.2 C148.1 C149.1 C150.1 C151.1 C152.1 C153.1 C164.2 C165.1 C166.1 C167.1 C168.1 C169.1 C170.1 C181.2 C182.1 C183.1 C184.1 C185.1 C186.1 C187.1 C198.2 C199.1 C200.1 C201.1 C202.1 C203.1 C204.1 C215.2 C216.1 C217.1 C218.1 C219.1 C220.1 C221.1 C232.2 C233.1 C234.1 C235.1 C236.1 C237.1 C238.1 C249.2 C250.1 C251.1 C252.1 C253.1 C254.1 C255.1 C266.2 C267.1 C268.1 C269.1 C270.1 C271.1 C272.1 C278.1 C279.1 C280.1 C281.1 C282.1 C283.1 C284.1 C285.1 C286.1 C287.1 H11.1 H13.1 H15.1 H17.1 H19.1 H21.1 H23.1 H25.1 H27.1 H29.1 H31.1 H33.1 R1.1 U4.31 U5.31 U6.31 U7.31 U8.31 U9.31 U10.31 U11.31 U12.31 U13.31 U14.31 U15.31 U16.31 U17.31 U18.31 U19.31
Net-(U4-BO): R7.1 U4.22
Net-(U4-CLKO): R5.1 U4.23
Net-(U4-CO): R6.1 U4.25
Net-(U4-LITE_PAD): R3.1 U4.11
Net-(U4-RO): R4.1 U4.7
Net-(U5-BO): R12.1 U5.22
Net-(U5-CLKO): R10.1 U5.23
Net-(U5-CO): R11.1 U5.25
Net-(U5-LITE_PAD): R8.1 U5.11
Net-(U5-RO): R9.1 U5.7
Net-(U6-BO): R17.1 U6.22
Net-(U6-CLKO): R15.1 U6.23
Net-(U6-CO): R16.1 U6.25
Net-(U6-LITE_PAD): R13.1 U6.11
Net-(U6-RO): R14.1 U6.7
Net-(U7-BO): R22.1 U7.22
Net-(U7-CLKO): R20.1 U7.23
Net-(U7-CO): R21.1 U7.25
Net-(U7-LITE_PAD): R18.1 U7.11
Net-(U7-RO): R19.1 U7.7
Net-(U8-BO): R29.1 U8.22
Net-(U8-CLKO): R27.1 U8.23
Net-(U8-CO): R28.1 U8.25
Net-(U8-LITE_PAD): R25.1 U8.11
Net-(U8-RO): R26.1 U8.7
Net-(U9-BO): R34.1 U9.22
Net-(U9-CLKO): R32.1 U9.23
Net-(U9-CO): R33.1 U9.25
Net-(U9-LITE_PAD): R30.1 U9.11
Net-(U9-RO): R31.1 U9.7
Net-(U10-BO): R39.1 U10.22
Net-(U10-CLKO): R37.1 U10.23
Net-(U10-CO): R38.1 U10.25
Net-(U10-LITE_PAD): R35.1 U10.11
Net-(U10-RO): R36.1 U10.7
Net-(U11-BO): R44.1 U11.22
Net-(U11-CLKO): R42.1 U11.23
Net-(U11-CO): R43.1 U11.25
Net-(U11-LITE_PAD): R40.1 U11.11
Net-(U11-RO): R41.1 U11.7
Net-(U12-BO): R49.1 U12.22
Net-(U12-CLKO): R47.1 U12.23
Net-(U12-CO): R48.1 U12.25
Net-(U12-LITE_PAD): R45.1 U12.11
Net-(U12-RO): R46.1 U12.7
Net-(U13-BO): R54.1 U13.22
Net-(U13-CLKO): R52.1 U13.23
Net-(U13-CO): R53.1 U13.25
Net-(U13-LITE_PAD): R50.1 U13.11
Net-(U13-RO): R51.1 U13.7
Net-(U14-BO): R59.1 U14.22
Net-(U14-CLKO): R57.1 U14.23
Net-(U14-CO): R58.1 U14.25
Net-(U14-LITE_PAD): R55.1 U14.11
Net-(U14-RO): R56.1 U14.7
Net-(U15-BO): R64.1 U15.22
Net-(U15-CLKO): R62.1 U15.23
Net-(U15-CO): R63.1 U15.25
Net-(U15-LITE_PAD): R60.1 U15.11
Net-(U15-RO): R61.1 U15.7
Net-(U16-BO): R69.1 U16.22
Net-(U16-CLKO): R67.1 U16.23
Net-(U16-CO): R68.1 U16.25
Net-(U16-LITE_PAD): R65.1 U16.11
Net-(U16-RO): R66.1 U16.7
Net-(U17-BO): R74.1 U17.22
Net-(U17-CLKO): R72.1 U17.23
Net-(U17-CO): R73.1 U17.25
Net-(U17-LITE_PAD): R70.1 U17.11
Net-(U17-RO): R71.1 U17.7
Net-(U18-BO): R79.1 U18.22
Net-(U18-CLKO): R77.1 U18.23
Net-(U18-CO): R78.1 U18.25
Net-(U18-LITE_PAD): R75.1 U18.11
Net-(U18-RO): R76.1 U18.7
Net-(U19-BO): R84.1 U19.22
Net-(U19-CLKO): R82.1 U19.23
Net-(U19-CO): R83.1 U19.25
Net-(U19-LITE_PAD): R80.1 U19.11
Net-(U19-RO): R81.1 U19.7

Pads without a net: J1 6 8; U4 10 12 19 20 21; U5 10 12 19 20 21; U6 10 12 19 20 21; U7 10 12 19 20 21; U8 10 12 19 20 21; U9 10 12 19 20 21; U10 10 12 19 20 21; U11 10 12 19 20 21; U12 10 12 19 20 21; U13 10 12 19 20 21; U14 10 12 19 20 21; U15 10 12 19 20 21; U16 10 12 19 20 21; U17 10 12 19 20 21; U18 10 12 19 20 21; U19 10 12 19 20 21

## Via types
v1: diameter 0.5, hole 0.3, Top to Bottom, 367 vias
v2: diameter 0.6, hole 0.3, Top to Bottom, 10 vias
v3: diameter 0.7, hole 0.5, Top to Bottom, 400 vias

## Routing (per net, layer and track width the routed paths; a pad name or vN(x,y) marks a point on that pad's centre or on a via; arc(x,y) is an arc through that point)
+0.8V: length 394.4
  Top w0.25: U6.14 135.64,51.14 136.13,51.64 v1(136.13,52.32) C42.1 ; C93.1 v1(63.43,12.95) 63.43,13.56 63.92,14.06 U9.14 ; C54.1 v1(128,52.32) 128,51.63 128.5,51.13 U6.17 ; C105.1 v1(71.56,12.95) 71.56,13.57 71.05,14.07 U9.17 ; U7.14 47.77,14.06 47.28,13.56 v1(47.28,12.95) C59.1 ; C8.1 v1(14.99,12.95) 14.99,13.56 15.48,14.06 U4.14 ; C76.1 v1(119.93,52.32) 119.93,51.64 119.44,51.14 U8.14 ; U11.17 87.2,14.07 87.7,13.57 v1(87.7,12.95) C139.1 ; U4.17 22.61,14.07 23.11,13.57 v1(23.11,12.95) C20.1 ; C207.1 v1(14.61,52.32) 14.61,51.63 15.11,51.13 U15.17 ; C122.1 v1(95.6,52.32) 95.6,51.63 96.11,51.13 U10.17 ; C144.1 v1(55.13,52.32) 55.13,51.64 54.64,51.14 U12.14 ; C258.1 v1(136.14,12.95) 136.14,13.57 135.64,14.07 U18.17 ; C71.1 v1(55.41,12.95) 55.41,13.57 54.91,14.07 U7.17 ; U13.17 63.71,51.13 63.2,51.63 v1(63.2,52.32) C173.1 ; U12.17 47.51,51.13 47.01,51.63 v1(47.01,52.32) C156.1 ; C246.1 v1(128.02,12.95) 128.02,13.56 128.51,14.06 U18.14 ; U17.17 31.31,51.13 30.81,51.63 v1(30.81,52.32) C241.1 ; C88.1 v1(111.8,52.32) 111.8,51.63 112.3,51.13 U8.17 ; U11.14 80.07,14.06 79.57,13.56 v1(79.57,12.95) C127.1 ; U19.14 87.04,51.14 87.53,51.64 v1(87.53,52.32) C263.1 ; C224.1 v1(120,12.95) 120,13.57 119.49,14.07 U16.17 ; U14.14 96.22,14.06 95.72,13.56 v1(95.72,12.95) C178.1 ; C275.1 v1(79.4,52.32) 79.4,51.63 79.91,51.13 U19.17 ; U5.14 31.63,14.06 31.13,13.56 v1(31.13,12.95) C25.1 ; U15.14 22.24,51.14 22.73,51.64 v1(22.73,52.32) C195.1 ; U5.17 38.76,14.07 39.26,13.57 v1(39.26,12.95) C37.1 ; C190.1 v1(103.85,12.95) 103.85,13.57 103.35,14.07 U14.17 ; C161.1 v1(71.33,52.32) 71.33,51.64 70.84,51.14 U13.14 ; U10.14 103.24,51.14 103.73,51.64 v1(103.73,52.32) C110.1 ; U16.14 112.36,14.06 111.87,13.56 v1(111.87,12.95) C212.1 ; C229.1 v1(38.93,52.32) 38.93,51.64 38.44,51.14 U17.14
  In1.Cu w0.25: v1(136.14,12.95) 135.45,13.65 135.45,20.77 138.97,24.29 138.97,40.73 135.43,44.27 135.43,51.63 v1(136.13,52.32)
  In2.Cu w0.25: v1(136.13,52.32) 135.8,52.32 135.18,51.71 128.62,51.71 v1(128,52.32) v1(119.93,52.32) 119.63,52.32 119.02,51.71 112.42,51.71 v1(111.8,52.32) v1(103.73,52.32) 103.11,51.71 96.22,51.71 v1(95.6,52.32) v1(87.53,52.32) 87.38,52.32 86.76,51.71 80.02,51.71 v1(79.4,52.32) v1(71.33,52.32) 70.72,51.71 63.82,51.71 v1(63.2,52.32) v1(55.13,52.32) 54.52,51.71 47.62,51.71 v1(47.01,52.32) v1(38.93,52.32) 38.32,51.71 31.42,51.71 v1(30.81,52.32) v1(22.73,52.32) 22.61,52.32 21.99,51.71 15.22,51.71 v1(14.61,52.32) ; v1(14.99,12.95) 15.6,13.57 22.5,13.57 v1(23.11,12.95) 23.18,12.89 31.07,12.89 v1(31.13,12.95) 31.71,13.53 38.69,13.53 v1(39.26,12.95) 39.5,12.95 39.56,12.89 47.21,12.89 v1(47.28,12.95) 47.86,13.53 54.83,13.53 v1(55.41,12.95) 55.48,12.89 63.36,12.89 v1(63.43,12.95) 64,13.53 70.98,13.53 v1(71.56,12.95) 71.62,12.89 79.51,12.89 v1(79.57,12.95) 80.15,13.53 87.13,13.53 v1(87.7,12.95) 88.01,12.95 88.08,12.89 95.65,12.89 v1(95.72,12.95) 96.3,13.53 103.27,13.53 v1(103.85,12.95) 103.92,12.89 111.8,12.89 v1(111.87,12.95) 112.44,13.53 119.42,13.53 v1(120,12.95) 120.12,12.83 127.89,12.83 v1(128.02,12.95) 128.59,13.53 135.57,13.53 v1(136.14,12.95)
  In2.Cu w0.5: v1(9.4,3.68) 9.4,11.94 10.54,13.08 13.08,13.08 13.4,12.76 14.79,12.76 v1(14.99,12.95)
  Bottom w0.5: 8.2,3.1 U2.3 10.4,5.32 ; v1(9.4,3.68) 8.76,3.05 C3.1
